# KiCad board HPM1500_DDR2_CORE_RevA.kicad_pcb (continued)
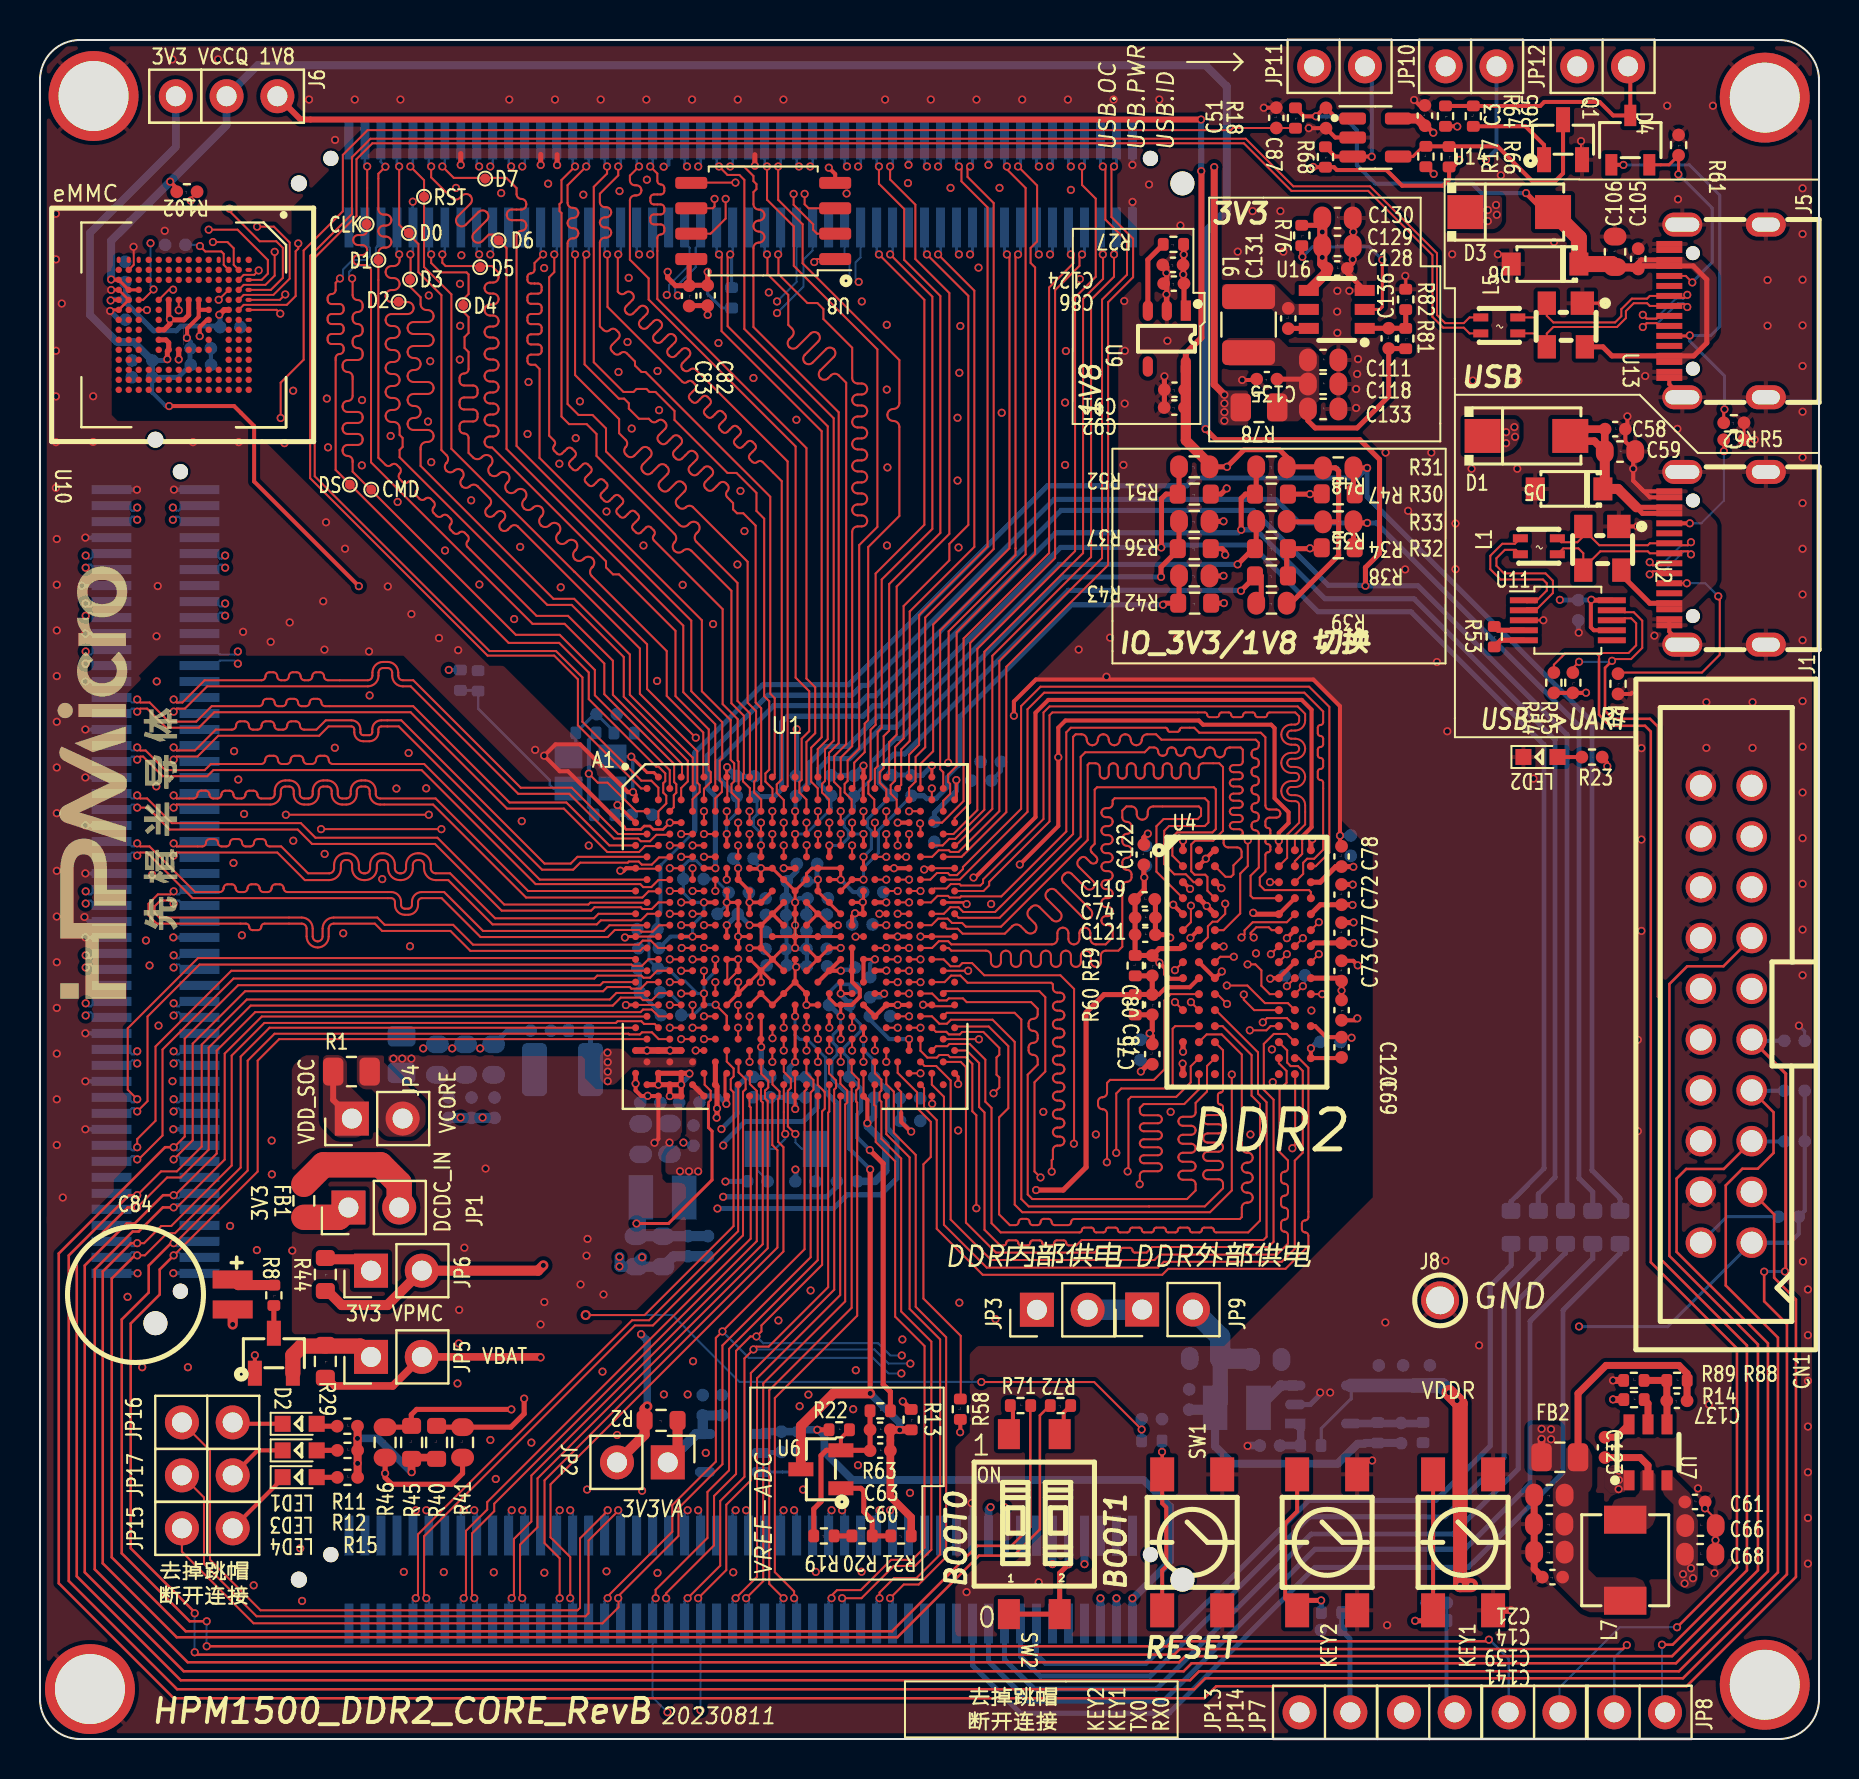
[diagram p0: board, top side]
## Routing (per net, layer and track width the routed paths; a pad name or vN(x,y) marks a point on that pad's centre or on a via; arc(x,y) is an arc through that point) (continued)
/Main/PF4_USB_ID: length 12.1
  Top w0.2: JP12.2 79.56,83.56 D4.3 78.69,81.22 78.02,81.9 75.25,81.9 75.05,81.7 71.7,81.7
  Top w0.203: 70.31,81.7 71.7,81.7
/Main/PF5: length 57.7
  Top w0.102: 38.34,33.92 38.34,33.32 38.69,32.97 38.69,32.48 38.55,32.34 38.55,24.1 34.14,19.69 34.14,13.75 31.94,11.55 31.94,10.16 28.93,7.15 v1(28.93,7.05) 28.94,7.03 28.94,6.59 28.14,5.79 10.69,5.79 7.1,9.38 JP15.1
  Bottom w0.127: v1(28.93,7.05) 29.05,6.92 J4.36
/Main/PF5': length 3.6
  Top w0.203: LED4.1 12.14,13.04 9.64,10.54
/Main/PF6: length 27
  Top w0.102: U1.AE17 v1(38.92,33.87)
  In2.Cu w0.102: v1(38.92,33.87) 38.83,33.79 38.83,23.33 38.09,22.59 38.09,21.02 35.69,18.62 35.69,14.74 v1(32.4,11.44)
  Bottom w0.127: J4.43 32.25,11.3 v1(32.4,11.44)
/Main/PF7: length 28.2
  Top w0.102: v1(38.92,35.01) U1.AC17
  In2.Cu w0.102: v1(38.92,35.01) 38.92,34.96 39.03,34.84 39.03,34.34 39.27,34.1 39.27,33.51 39.08,33.32 39.08,21.58 36.01,18.51 36.01,14.53 v1(32.93,11.44)
  Bottom w0.127: v1(32.93,11.44) 33.05,11.32 J4.45
/Main/PF8: length 63.3
  Top w0.102: JP16.1 8.51,14.43 8.51,8.97 11.04,6.44 26.89,6.44 27.02,6.56 27.02,10.03 28.4,11.42 v1(28.4,11.44) ; U1.AD16 v1(38.34,34.44)
  In2.Cu w0.102: v1(28.4,11.44) 28.4,11.61 28.6,11.81 31.61,11.81 34.7,14.9 34.7,20.15 38.18,23.63 38.18,34.28 v1(38.34,34.44)
  Bottom w0.127: v1(28.4,11.44) 28.25,11.3 J4.33
/Main/PF8': length 2.5
  Top w0.203: 9.64,15.84 9.71,15.77 LED1.1
/Main/PF9: length 63
  Top w0.102: U1.AB16 v1(38.34,35.58) ; v1(28.93,11.44) 28.93,11.42 27.44,9.93 27.44,6.29 27.29,6.14 10.84,6.14 8.21,8.77 8.21,12.08 JP17.1
  In2.Cu w0.102: v1(28.93,11.44) 28.97,11.49 31.82,11.49 35.03,14.7 35.03,19.98 38.48,23.43 38.48,34.04 38.73,34.29 38.73,34.7 38.34,35.08 v1(38.34,35.58)
  Bottom w0.127: J4.35 29.05,11.32 v1(28.93,11.44)
/Main/PF9': length 3
  Top w0.203: LED3.1 10.89,14.44 9.64,13.19
/Main/PY0: length 31.7
  Top w0.102: v1(26,7.05) 26,9.04 25.24,9.8 25.24,12.94 36.89,24.59 36.89,29.46 36.64,29.71 U1.AJ13
  Bottom w0.127: v1(26,7.05) 25.85,6.9 J4.28
/Main/PY1: length 33.2
  Top w0.102: v1(26.53,7.05) 26.53,9.1 25.54,10.09 25.54,12.74 37.19,24.39 37.19,29.61 36.92,29.88 36.92,32.01 37,32.08 37,32.39 36.64,32.75 36.64,33.36
  Bottom w0.127: v1(26.53,7.05) 26.65,6.92 J4.30
/Main/PY2: length 32.3
  Top w0.102: v1(23.6,7.05) 23.71,7.16 23.71,10.01 24.58,10.88 24.58,13.18 36.16,24.75 36.16,31.84 36.06,31.93 U1.AH12
  Bottom w0.127: v1(23.6,7.05) 23.45,6.9 J4.22
/Main/PY3: length 33.6
  Top w0.102: 36.08,33.92 36.08,33.29 36.43,32.94 36.43,32.59 36.28,32.44 36.27,32.43 36.27,32.06 36.41,31.92 36.41,24.55 24.89,13.04 24.89,10.6 24.01,9.72 24.01,7.16 v1(24.13,7.05)
  Bottom w0.127: J4.24 24.25,6.92 v1(24.13,7.05)
/Main/PY4: length 32.4
  Top w0.102: U1.AJ11 35.5,31.65 35.55,31.6 35.55,25.03 22.37,11.85 22.37,11.48 21.31,10.41 21.31,7.16 v1(21.2,7.05)
  Bottom w0.127: J4.16 21.05,6.9 v1(21.2,7.05)
/Main/PY5: length 33.7
  Top w0.102: 35.51,33.36 35.51,32.77 35.86,32.42 35.86,24.91 22.72,11.77 22.72,11.4 21.61,10.29 21.61,7.16 v1(21.73,7.05)
  Bottom w0.127: v1(21.73,7.05) 21.85,6.92 J4.18
/Main/PY6: length 34.2
  Top w0.102: v1(18.8,7.05) 18.91,7.16 18.91,10.24 29.62,20.95 30.47,20.95 34.93,25.4 U1.AH10
  Bottom w0.127: J4.10 18.65,6.9 v1(18.8,7.05)
/Main/PY7: length 35.6
  Top w0.102: 34.95,33.92 34.95,33.35 35.3,33 35.3,32.51 35.17,32.38 35.17,25.2 30.66,20.69 29.76,20.69 19.21,10.14 19.21,7.16 v1(19.33,7.05)
  Bottom w0.127: J4.12 19.45,6.92 v1(19.33,7.05)
/Main/PZ0: length 29.5
  Top w0.102: v1(37.21,34.44) U1.AD14
  In2.Cu w0.102: v1(37.21,34.44) 36.99,34.23 36.99,31.43 36.54,30.98 36.54,24.74 26,14.2 v1(26,11.44)
  Bottom w0.127: J4.27 25.85,11.3 v1(26,11.44)
/Main/PZ1: length 30.8
  Top w0.102: U1.AB14 v1(37.21,35.58)
  In2.Cu w0.102: v1(37.21,35.58) 37.62,35.16 37.62,34.27 37.31,33.96 37.31,31.16 36.84,30.69 36.84,24.54 26.54,14.24 26.54,11.46 v1(26.53,11.44)
  Bottom w0.127: J4.29 26.65,11.32 v1(26.53,11.44)
/Main/PZ2: length 29.5
  Top w0.102: v1(36.64,33.87) U1.AE13
  In2.Cu w0.102: v1(36.64,33.87) 36.64,31.67 36.19,31.23 36.19,24.89 24.13,12.83 v1(24.13,11.44)
  Bottom w0.127: J4.23 24.25,11.32 v1(24.13,11.44)
/Main/PZ3: length 30.9
  Top w0.102: v1(36.64,35.06) 36.64,35.62
  In2.Cu w0.102: v1(23.6,11.44) 23.6,12.7 35.84,24.94 35.84,31.43 36.27,31.86 36.27,34.12 36.64,34.49 v1(36.64,35.06)
  Bottom w0.127: J4.21 23.45,11.3 v1(23.6,11.44)
/Main/PZ4: length 31.1
  Top w0.102: v1(35.5,33.87) U1.AE11
  In2.Cu w0.102: v1(21.73,11.44) 21.74,11.46 21.74,15.42 23.99,17.67 23.99,24.16 30.35,30.52 32.09,30.52 35.44,33.87 v1(35.5,33.87)
  Bottom w0.127: J4.17 21.85,11.32 v1(21.73,11.44)
/Main/PZ5: length 33.5
  Top w0.102: v1(35.5,36.15) U1.AC11
  In2.Cu w0.102: v1(21.2,11.44) 21.19,11.45 21.19,15.45 23.59,17.85 23.59,24.16 30.19,30.76 31.89,30.76 35.09,33.96 35.09,35.08 35.5,35.48 v1(35.5,36.15)
  Bottom w0.127: v1(21.2,11.44) 21.05,11.3 J4.15
/Main/PZ6: length 33.4
  Top w0.102: v1(34.93,35.58) U1.AD10
  In2.Cu w0.102: v1(19.33,11.44) 20.69,12.81 20.69,15.45 23.24,18 23.24,24.22 30.07,31.05 31.7,31.05 34.8,34.15 34.8,35.22 34.93,35.34 v1(34.93,35.58)
  Bottom w0.127: v1(19.33,11.44) 19.45,11.32 J4.11
/Main/PZ7: length 34.8
  Top w0.102: U1.AB10 v1(34.93,36.72)
  In2.Cu w0.102: v1(18.8,11.44) 18.8,11.7 20.11,13.01 20.11,15.56 22.84,18.29 22.84,24.26 29.87,31.29 31.52,31.29 34.49,34.26 34.49,35.74 34.93,36.17 v1(34.93,36.72)
  Bottom w0.127: J4.9 18.65,11.3 v1(18.8,11.44)
/Main/RESET: length 49.6
  Top w0.102: v1(55.11,15.48) 52.74,17.86 v1(47.09,17.86) ; v2(27.3,21.21) 30.25,21.21 34.7,25.66 34.7,32.36 34.56,32.5 34.56,33 34.7,33.15 34.7,33.54 34.36,33.89 U1.AE9
  Bottom w0.102: v1(47.09,17.86) 47.08,17.87 34.99,17.87 31.65,21.21 v2(27.3,21.21)
  Bottom w0.178: R6.2 v1(55.11,15.48) 55.11,16 C108.1
/Main/USB0_DN: length 104.6
  Top w0.102: U1.C3 30.94,47.59 30.58,47.94 30.08,47.94 27.14,50.89 27.14,53.11 25.82,54.43 22.49,54.43 13.74,63.17 13.74,74.11 15.83,76.2 15.83,79.04 16.63,79.83 60.22,79.83 62.6,77.45 66.44,77.45 69.66,74.24 69.66,71.15 70.2,70.61 71.23,70.61 71.51,70.32 72.08,70.32
/Main/USB0_DP: length 104.1
  Top w0.102: L5.3 71.51,71.12 71.23,70.83 70.29,70.83 69.88,71.24 69.88,74.33 66.54,77.68 62.7,77.68 60.32,80.06 16.53,80.06 15.61,79.13 15.61,76.29 13.52,74.2 13.52,63.08 22.39,54.2 25.72,54.2 26.91,53.02 26.91,50.72 30.07,47.55 U1.B2
/Main/USB/CH340_DN: length 7.4
  Top w0.102: L1.2 73.83,59.49 73.28,59.49 72.86,59.07 72.86,58.69 73.24,58.31 75.31,58.31 75.68,57.95 75.68,57.33 74.92,56.57 74.38,56.57 74.28,56.47 U11.2
/Main/USB/CH340_DP: length 7.4
  Top w0.102: U11.1 74.28,56.97 74.38,56.87 74.79,56.87 75.38,57.46 75.38,57.82 75.19,58.01 73.07,58.01 72.55,58.52 72.55,59.2 73.15,59.8 73.78,59.8 L1.3
/Main/USB/DN: length 12
  Top w0.102: J1.B7 81,58.32 80.91,58.42 80.68,58.42 v1(80.52,58.27) ; v1(82.59,59.27) 82.44,59.42 82.1,59.42 82,59.32 J1.A7 80.53,59.32 80.43,59.42 78.05,59.42 77.2,58.57 U2.3 77.2,59.32 76.96,59.57 76.2,59.57 L1.1
  Bottom w0.102: v1(82.59,59.27) 82.44,59.42 82.23,59.42 81.23,58.42 80.68,58.42 v1(80.52,58.27)
/Main/USB/DP: length 11.7
  Top w0.102: L1.4 76.1,59.87 76.91,59.87 77.2,60.17 U2.2 77.2,60.52 78,59.72 80.43,59.72 80.53,59.82 J1.B6 82,59.82 82.1,59.72 82.44,59.72 v1(82.59,59.87) ; J1.A6 81,58.82 80.91,58.72 80.68,58.72 v1(80.52,58.87)
  Bottom w0.102: v1(82.59,59.87) 82.44,59.72 82.11,59.72 81.11,58.72 80.68,58.72 v1(80.52,58.87)
/Main/USB/L4_OUT_1: length 2.3
  Bottom w0.508: U3.3 62.07,17.68 L4.1
/Main/USB/L4_OUT_2: length 20
  Bottom w0.203: 58.69,16.48 L4.2
  Bottom w0.4: L4.2 58.78,14.64 59.65,13.77 64.92,13.77 65.92,14.77 66.27,14.77 ; C62.1 68.07,14.81 66.31,14.81
  Bottom w0.508: C64.1 58.69,16.48
  Bottom w0.762: C65.1 59.04,16.83
  Bottom w1.016: 60.53,19.03 C65.1 59.04,20.12 JP9.2
/Main/USB_OTG/DN: length 14.7
  Top w0.102: v1(80.18,70.64) 80.37,70.83 80.87,70.83 81,70.69 J5.B7 ; 73.93,70.32 74.77,70.32 75.38,69.71 U13.3 75.38,70.31 75.71,70.64 78.89,70.64 79.33,71.09 79.33,71.44 79.73,71.83 80.39,71.83 80.53,71.69 J5.A7 82,71.69 82.1,71.79 82.25,71.79 v1(82.4,71.64)
  Bottom w0.102: v1(80.18,70.64) 80.37,70.83 80.93,70.83 81.93,71.83 82.21,71.83 v1(82.4,71.64)
/Main/USB_OTG/DP: length 14.7
  Top w0.102: v1(80.18,71.25) 80.37,71.06 80.87,71.06 81,71.19 J5.A6 ; v1(82.4,72.25) 82.25,72.1 82.1,72.1 82,72.19 J5.B6 80.53,72.19 80.39,72.06 79.63,72.06 79.11,71.53 79.11,71.18 78.79,70.87 75.71,70.87 75.38,71.2 U13.2 75.38,71.71 74.79,71.12 L5.4
  Bottom w0.102: v1(80.18,71.25) 80.37,71.06 80.83,71.06 81.83,72.06 82.21,72.06 v1(82.4,72.25)
DCDC_GND: length 15.3
  Top w0.254: U1.AF8 U1.AH8 33.87,32.65 v1(33.87,31.54) 33.87,31.1 v1(33.85,31.08)
  Top w0.33: U1.AE1 v1(30.37,34.44) U1.AE3 U1.AE5
  Bottom w0.254: C32.2 23.38,35.44 C140.2 ; 30.49,23.68 30.52,23.65
  Bottom w0.508: C85.2 29.81,23.79 v1(30.12,24.1) ; C85.2 C90.2 31.68,24.15 C112.2 C113.2 ; C85.2 29,23.63 v1(28.99,23.64) v1(28.99,24.12) ; 20.44,31.07 22.74,31.07
  vias: v1(19.17,34.55) v1(20.62,34.55) v1(21.04,31.09) v1(22.02,34.55) v1(22.14,31.09) v1(31.52,34.44)
MIPI0.CK_N: length 31.4
  Top w0.102: 30.42,40.71 28.49,40.71 28.21,40.43 22.16,40.43 20.22,42.37 19.1,42.37 arc(18.75,42.23) 18.61,41.88 18.61,41.73 arc(18.55,41.59) 18.42,41.54 18.25,41.54 arc(18.12,41.59) 18.06,41.73 18.06,41.88 arc(17.92,42.23) 17.57,42.37 12.38,42.37 arc(12.24,42.43) 12.19,42.57 arc(12.13,42.7) 11.99,42.76 11.78,42.76 arc(11.64,42.7) 11.59,42.57 arc(11.53,42.43) 11.39,42.37 11.18,42.37 arc(11.04,42.43) 10.99,42.57 arc(10.93,42.7) 10.79,42.76 10.58,42.76 arc(10.44,42.7) 10.39,42.57 arc(10.33,42.43) 10.19,42.37 9.98,42.37 arc(9.84,42.43) 9.79,42.57 arc(9.73,42.7) 9.59,42.76 9.38,42.76 arc(9.24,42.7) 9.19,42.57 arc(9.13,42.43) 8.99,42.37 7.76,42.37 5.48,44.65 5.02,44.65 v1(4.86,44.81)
  Bottom w0.102: J2.46 4.35,44.9 4.6,44.65 4.71,44.65 v1(4.86,44.81)
MIPI0.CK_P: length 31.4
  Top w0.102: v1(4.86,44.2) 5.02,44.35 5.35,44.35 7.64,42.07 17.57,42.07 arc(17.7,42.01) 17.76,41.88 17.76,41.73 arc(17.9,41.38) 18.25,41.24 18.42,41.24 arc(18.77,41.38) 18.91,41.73 18.91,41.88 arc(18.97,42.01) 19.1,42.07 20.09,42.07 22.04,40.12 28.4,40.12 28.76,40.47 30,40.47 30.08,40.39 30.64,40.39 30.96,40.71 31.55,40.71
  Bottom w0.102: v1(4.86,44.2) 4.71,44.35 4.6,44.35 4.35,44.1 J2.48
MIPI0.D0_N: length 31.4
  Top w0.102: U1.N1 27.94,41.28 27.71,41.06 22.77,41.06 20.52,43.31 19.8,43.31 arc(19.63,43.38) 19.55,43.56 19.55,43.73 arc(19.38,44.14) 18.97,44.31 18.9,44.31 arc(18.48,44.14) 18.31,43.73 18.31,43.56 arc(18.24,43.38) 18.07,43.31 18,43.31 arc(17.83,43.38) 17.75,43.56 17.75,43.73 arc(17.58,44.14) 17.17,44.31 17.1,44.31 arc(16.68,44.14) 16.51,43.73 16.51,43.56 arc(16.44,43.38) 16.27,43.31 16.2,43.31 arc(16.03,43.38) 15.95,43.56 15.95,43.73 arc(15.78,44.14) 15.37,44.31 15.3,44.31 arc(14.88,44.14) 14.71,43.73 14.71,43.56 arc(14.64,43.38) 14.47,43.31 13.41,43.31 12.07,44.65 11.49,44.65 arc(11.36,44.71) 11.31,44.84 arc(11.25,44.97) 11.12,45.02 10.89,45.02 arc(10.76,44.97) 10.71,44.84 arc(10.65,44.71) 10.52,44.65 10.29,44.65 arc(10.16,44.71) 10.11,44.84 arc(10.05,44.97) 9.92,45.02 9.69,45.02 arc(9.56,44.97) 9.51,44.84 arc(9.45,44.71) 9.32,44.65 9.09,44.65 arc(8.96,44.71) 8.91,44.84 arc(8.85,44.97) 8.72,45.02 8.49,45.02 arc(8.36,44.97) 8.31,44.84 arc(8.25,44.71) 8.12,44.65 6.84,44.65 v1(6.69,44.81)
  Bottom w0.102: v1(6.69,44.81) 6.84,44.65 6.95,44.65 7.2,44.9 J2.45
MIPI0.D0_P: length 31.4
  Top w0.102: v1(6.69,44.2) 6.84,44.35 11.87,44.35 13.25,42.97 14.47,42.97 arc(14.88,43.14) 15.05,43.56 15.05,43.73 arc(15.13,43.9) 15.3,43.97 15.37,43.97 arc(15.54,43.9) 15.61,43.73 15.61,43.56 arc(15.78,43.14) 16.2,42.97 16.27,42.97 arc(16.68,43.14) 16.85,43.56 16.85,43.73 arc(16.93,43.9) 17.1,43.97 17.17,43.97 arc(17.34,43.9) 17.41,43.73 17.41,43.56 arc(17.58,43.14) 18,42.97 18.07,42.97 arc(18.48,43.14) 18.65,43.56 18.65,43.73 arc(18.73,43.9) 18.9,43.97 18.97,43.97 arc(19.14,43.9) 19.21,43.73 19.21,43.56 arc(19.38,43.14) 19.8,42.97 20.42,42.97 22.64,40.76 27.86,40.76 28.06,40.96 30.06,40.96 30.39,41.28 U1.N3
  Bottom w0.102: J2.47 7.2,44.1 6.95,44.35 6.84,44.35 v1(6.69,44.2)
MIPI0.D1_N: length 31.4
  Top w0.102: v1(6.69,42.41) 6.53,42.25 5.9,42.25 5.43,41.78 5.43,41.21 5.84,40.79 10.3,40.79 arc(10.42,40.74) 10.47,40.63 arc(10.51,40.51) 10.63,40.47 10.9,40.47 arc(11.02,40.51) 11.07,40.63 arc(11.11,40.74) 11.23,40.79 13.09,40.79 arc(13.27,40.72) 13.34,40.54 13.34,40.15 arc(13.5,39.76) 13.89,39.6 arc(14.28,39.76) 14.44,40.15 14.44,40.54 arc(14.51,40.72) 14.69,40.79 16.75,40.79 17.12,40.43 20.53,40.43 21.53,39.43 30.02,39.43 30.16,39.57 U1.T2
  Bottom w0.102: v1(6.69,42.41) 6.84,42.25 6.95,42.25 7.2,42.5 J2.51
MIPI0.D1_P: length 31.3
  Top w0.102: U1.T4 30.93,39.57 30.56,39.94 30.15,39.94 29.95,39.74 21.66,39.74 20.67,40.73 17.24,40.73 16.88,41.1 14.69,41.1 arc(14.3,40.94) 14.14,40.54 14.14,40.15 arc(14.07,39.98) 13.89,39.9 arc(13.71,39.98) 13.64,40.15 13.64,40.54 arc(13.48,40.94) 13.09,41.1 5.97,41.1 5.73,41.33 5.73,41.66 6.02,41.95 6.53,41.95 v1(6.69,41.8)
  Bottom w0.102: J2.53 7.2,41.7 6.95,41.95 6.84,41.95 v1(6.69,41.8)
MIPI1.CK_N: length 41
  Top w0.102: v1(32.08,40.71) U1.P6
  In2.Cu w0.102: v1(2.29,56.2) 2.44,56.35 3.18,56.35 arc(3.32,56.29) 3.37,56.16 arc(3.43,56.02) 3.57,55.96 3.78,55.96 arc(3.92,56.02) 3.97,56.16 arc(4.03,56.29) 4.17,56.35 4.38,56.35 arc(4.52,56.29) 4.57,56.16 arc(4.63,56.02) 4.77,55.96 4.98,55.96 arc(5.12,56.02) 5.17,56.16 arc(5.23,56.29) 5.37,56.35 5.58,56.35 arc(5.72,56.29) 5.77,56.16 arc(5.83,56.02) 5.97,55.96 6.18,55.96 arc(6.32,56.02) 6.37,56.16 arc(6.43,56.29) 6.57,56.35 7.9,56.35 8.91,55.35 8.91,53.17 9.43,52.65 10.13,52.65 21.62,41.16 28.99,41.16 29.34,40.8 30.64,40.8 30.8,40.64 32,40.64 v1(32.08,40.71)
  Bottom w0.102: J2.18 2.8,56.1 2.55,56.35 2.44,56.35 v1(2.29,56.2)
MIPI1.CK_P: length 41
  Top w0.102: v1(33.22,40.71) U1.P8
  In2.Cu w0.102: v1(33.22,40.71) 32.66,40.71 32.3,41.07 31.89,41.07 31.74,40.93 31.04,40.93 30.87,41.09 29.49,41.09 29.11,41.47 21.74,41.47 10.26,52.95 9.55,52.95 9.21,53.29 9.21,55.47 8.03,56.65 2.44,56.65 v1(2.29,56.81)
  Bottom w0.102: v1(2.29,56.81) 2.44,56.65 2.55,56.65 2.8,56.9 J2.16
MIPI1.D0_N: length 40.9
  Top w0.102: U1.N5 v1(31.5,41.28)
  In2.Cu w0.102: v1(31.5,41.28) 31.38,41.41 29.66,41.41 29.17,41.9 22.34,41.9 18.49,45.76 18.49,47.73 18.12,48.1 arc(17.92,48.18) 17.73,48.1 17.55,47.92 arc(17.14,47.75) 16.74,47.92 arc(16.57,48.33) 16.74,48.74 17.54,49.53 arc(17.58,49.64) 17.54,49.74 17.36,49.92 arc(17.25,49.96) 17.15,49.92 16.35,49.12 arc(15.94,48.95) 15.53,49.12 arc(15.37,49.53) 15.53,49.94 16.33,50.74 arc(16.38,50.84) 16.33,50.95 16.16,51.12 arc(16.05,51.17) 15.95,51.12 15.15,50.32 arc(14.74,50.15) 14.33,50.32 arc(14.16,50.73) 14.33,51.14 15.13,51.94 arc(15.17,52.04) 15.13,52.15 14.95,52.32 arc(14.85,52.37) 14.75,52.32 14.64,52.22 arc(14.32,52.08) 14,52.22 13.48,52.73 arc(13.27,52.82) 13.06,52.73 13.02,52.7 arc(12.81,52.61) 12.6,52.7 arc(12.51,52.91) 12.6,53.12 12.63,53.16 arc(12.72,53.37) 12.63,53.58 12.26,53.95 11.69,53.95 arc(11.55,53.89) 11.49,53.75 arc(11.43,53.61) 11.29,53.55 11.09,53.55 arc(10.95,53.61) 10.89,53.75 arc(10.83,53.89) 10.69,53.95 10.05,53.95 v1(9.9,53.8)
  Bottom w0.102: J2.23 8.75,53.7 9,53.95 9.75,53.95 v1(9.9,53.8)
MIPI1.D0_P: length 40.9
  Top w0.102: v1(32.65,41.28) U1.N7
  In2.Cu w0.102: v1(9.9,54.41) 10.05,54.25 12.39,54.25 14.21,52.43 arc(14.32,52.39) 14.42,52.43 14.53,52.54 arc(14.85,52.67) 15.17,52.54 15.35,52.36 arc(15.48,52.04) 15.35,51.72 14.55,50.92 arc(14.47,50.73) 14.55,50.54 arc(14.74,50.46) 14.93,50.54 15.73,51.34 arc(16.05,51.47) 16.37,51.34 16.55,51.16 arc(16.68,50.84) 16.55,50.52 15.75,49.72 arc(15.67,49.53) 15.75,49.34 arc(15.94,49.26) 16.14,49.34 16.93,50.14 arc(17.25,50.27) 17.57,50.14 17.75,49.96 arc(17.88,49.64) 17.75,49.32 16.95,48.52 arc(16.87,48.33) 16.95,48.13 arc(17.14,48.05) 17.34,48.13 17.52,48.31 arc(17.92,48.48) 18.33,48.31 18.79,47.85 18.79,45.88 22.47,42.21 29.29,42.21 29.78,41.72 31.65,41.72 32.08,41.28 v1(32.65,41.28)
  Bottom w0.102: J2.21 8.75,54.5 9,54.25 9.75,54.25 v1(9.9,54.41)
MIPI1.D1_N: length 40.9
  Top w0.102: U1.T6 v1(32.1,39.57)
  In2.Cu w0.102: v1(2.29,53.8) 2.44,53.95 3.27,53.95 arc(3.39,53.9) 3.44,53.78 arc(3.5,53.65) 3.62,53.6 3.87,53.6 arc(3.99,53.65) 4.04,53.78 arc(4.1,53.9) 4.22,53.95 4.47,53.95 arc(4.59,53.9) 4.64,53.78 arc(4.7,53.65) 4.82,53.6 5.07,53.6 arc(5.19,53.65) 5.24,53.78 arc(5.3,53.9) 5.42,53.95 5.67,53.95 arc(5.79,53.9) 5.84,53.78 arc(5.9,53.65) 6.02,53.6 6.27,53.6 arc(6.39,53.65) 6.44,53.78 arc(6.5,53.9) 6.62,53.95 7.44,53.95 7.9,53.5 7.9,52.95 9.12,51.73 9.89,51.73 10.64,50.98 arc(10.72,50.78) 10.64,50.59 10.42,50.38 arc(10.25,49.97) 10.42,49.56 arc(10.83,49.39) 11.24,49.56 11.45,49.78 arc(11.65,49.85) 11.84,49.78 21.42,40.19 28.58,40.19 29.08,39.69 31.98,39.69 v1(32.1,39.57)
  Bottom w0.102: J2.24 2.8,53.7 2.55,53.95 2.44,53.95 v1(2.29,53.8)
MIPI1.D1_P: length 40.4
  Top w0.102: v1(33.22,39.57) U1.T8
  In2.Cu w0.102: v1(33.22,39.57) 32.65,39.57 32.22,40.01 29.99,40.01 29.5,40.49 21.55,40.49 11.88,50.16 10.64,50.16 10.85,50.38 10.9,50.43 10.98,50.56 11.02,50.71 11.02,50.86 10.98,51.01 10.9,51.14 10.85,51.19 10.01,52.03 9.24,52.03 8.2,53.07 8.2,53.62 7.57,54.25 2.44,54.25 v1(2.29,54.41)
  Bottom w0.102: v1(2.29,54.41) 2.44,54.25 2.55,54.25 2.8,54.5 J2.22
MIPI2.CK_N: length 31.4
  Top w0.102: 30.39,44.13 26.89,44.13 26.55,43.8 25.24,43.8 18.07,50.96 17.07,50.96 arc(16.75,50.83) 16.62,50.52 16.62,50.36 arc(16.58,50.26) 16.48,50.22 16.17,50.22 arc(16.07,50.26) 16.03,50.36 16.03,50.52 arc(15.9,50.83) 15.58,50.96 14.3,50.96 13.83,50.5 13.21,50.5 arc(13.07,50.56) 13.01,50.7 arc(12.94,50.85) 12.8,50.91 12.57,50.91 arc(12.43,50.85) 12.37,50.7 arc(12.31,50.56) 12.16,50.5 11.93,50.5 arc(11.79,50.56) 11.73,50.7 arc(11.67,50.85) 11.52,50.91 11.3,50.91 arc(11.15,50.85) 11.09,50.7 arc(11.03,50.56) 10.88,50.5 10.66,50.5 arc(10.51,50.56) 10.45,50.7 arc(10.39,50.85) 10.24,50.91 10.02,50.91 arc(9.87,50.85) 9.81,50.7 arc(9.75,50.56) 9.6,50.5 8.79,50.5 7.75,49.46 6.84,49.46 v1(6.69,49.61)
  Bottom w0.102: v1(6.69,49.61) 6.84,49.45 6.95,49.45 7.2,49.7 J2.33
MIPI2.CK_P: length 31.3
  Top w0.102: 31.55,44.1 30.96,44.1 30.61,43.74 30.11,43.74 29.95,43.9 29.46,43.9 29.4,43.84 27.03,43.84 26.68,43.49 25.11,43.49 17.95,50.66 17.07,50.66 arc(16.97,50.62) 16.93,50.52 16.93,50.36 arc(16.8,50.05) 16.48,49.92 16.17,49.92 arc(15.85,50.05) 15.72,50.36 15.72,50.52 arc(15.68,50.62) 15.58,50.66 14.43,50.66 13.97,50.19 8.92,50.19 7.88,49.15 6.84,49.15 v1(6.69,49)
  Bottom w0.102: J2.35 7.2,48.9 6.95,49.15 6.84,49.15 v1(6.69,49)
MIPI2.D0_N: length 31.4
  Top w0.102: U1.F2 28.92,45.27 26.6,47.59 24.05,47.59 18.67,52.97 18.15,52.97 arc(17.99,53.04) 17.92,53.2 17.92,53.35 arc(17.77,53.73) 17.39,53.89 17.16,53.89 arc(16.79,53.73) 16.63,53.35 16.63,53.2 arc(16.56,53.04) 16.4,52.97 14.41,52.97 arc(14.27,53.03) 14.21,53.17 arc(14.15,53.31) 14.01,53.37 13.82,53.37 arc(13.68,53.31) 13.62,53.17 arc(13.56,53.03) 13.42,52.97 13.24,52.97 arc(13.1,53.03) 13.04,53.17 arc(12.98,53.31) 12.84,53.37 12.65,53.37 arc(12.51,53.31) 12.45,53.17 arc(12.39,53.03) 12.25,52.97 12.07,52.97 arc(11.93,53.03) 11.87,53.17 arc(11.81,53.31) 11.67,53.37 11.48,53.37 arc(11.34,53.31) 11.28,53.17 arc(11.22,53.03) 11.08,52.97 8.24,52.97 7.12,51.85 6.84,51.85 v1(6.69,52.01)
  Bottom w0.102: J2.27 7.2,52.1 6.95,51.85 6.84,51.85 v1(6.69,52.01)
MIPI2.D0_P: length 31.4
  Top w0.102: 31.55,45.24 30.84,45.24 30.52,44.91 30.06,44.91 29.92,45.05 28.71,45.05 26.48,47.29 23.92,47.29 18.55,52.66 18.15,52.66 arc(17.78,52.82) 17.62,53.2 17.62,53.35 arc(17.55,53.51) 17.39,53.58 17.16,53.58 arc(17,53.51) 16.93,53.35 16.93,53.2 arc(16.78,52.82) 16.4,52.66 8.36,52.66 7.25,51.55 6.84,51.55 v1(6.69,51.4)
  Bottom w0.102: J2.29 7.2,51.3 6.95,51.55 6.84,51.55 v1(6.69,51.4)
MIPI2.D1_N: length 31.3
  Top w0.102: v1(4.86,52.01) 5.02,51.85 5.49,51.85 6.44,50.9 7.82,50.9 8.59,51.67 10.97,51.67 arc(11.1,51.73) 11.15,51.86 arc(11.2,51.98) 11.33,52.04 11.55,52.04 arc(11.68,51.98) 11.74,51.86 arc(11.79,51.73) 11.92,51.67 12.14,51.67 arc(12.27,51.73) 12.32,51.86 arc(12.37,51.98) 12.5,52.04 12.72,52.04 arc(12.85,51.98) 12.91,51.86 arc(12.96,51.73) 13.09,51.67 13.31,51.67 arc(13.44,51.73) 13.49,51.86 arc(13.54,51.98) 13.67,52.04 13.89,52.04 arc(14.02,51.98) 14.08,51.86 arc(14.13,51.73) 14.26,51.67 18.67,51.67 23.49,46.85 26.33,46.85 28.48,44.7 U1.G1
  Bottom w0.102: v1(4.86,52.01) 4.71,51.85 4.6,51.85 4.35,52.1 J2.28
MIPI2.D1_P: length 31.4
  Top w0.102: v1(4.86,51.4) 5.02,51.55 5.36,51.55 6.32,50.59 7.94,50.59 8.72,51.37 18.54,51.37 23.36,46.55 26.21,46.55 28.38,44.37 29.97,44.37 30.27,44.67 30.99,44.67
  Bottom w0.102: J2.30 4.35,51.3 4.6,51.55 4.71,51.55 v1(4.86,51.4)
MIPI2.D2_N: length 31.4
  Top w0.102: v1(4.86,49.61) 5.02,49.45 5.29,49.45 6.27,48.47 8.24,48.47 8.55,48.78 11.06,48.78 arc(11.21,48.84) 11.27,48.98 arc(11.33,49.13) 11.48,49.19 11.7,49.19 arc(11.84,49.13) 11.9,48.98 arc(11.96,48.84) 12.11,48.78 12.33,48.78 arc(12.48,48.84) 12.54,48.98 arc(12.6,49.13) 12.75,49.19 12.97,49.19 arc(13.11,49.13) 13.17,48.98 arc(13.23,48.84) 13.38,48.78 13.6,48.78 arc(13.75,48.84) 13.81,48.98 arc(13.87,49.13) 14.02,49.19 14.24,49.19 arc(14.38,49.13) 14.44,48.98 arc(14.5,48.84) 14.65,48.78 19.22,48.78 25,42.99 U1.K2
  Bottom w0.102: v1(4.86,49.61) 4.71,49.45 4.6,49.45 4.35,49.7 J2.34
MIPI2.D2_P: length 31.3
  Top w0.102: v1(4.86,49) 5.02,49.15 5.16,49.15 6.14,48.17 8.37,48.17 8.67,48.47 19.09,48.47 24.79,42.77 30.03,42.77 30.18,42.62 30.58,42.62 30.93,42.97 31.55,42.97
  Bottom w0.102: J2.36 4.35,48.9 4.6,49.15 4.71,49.15 v1(4.86,49)
MIPI2.D3_N: length 31.4
  Top w0.102: v1(6.69,47.21) 6.84,47.05 7.68,47.05 arc(7.82,47.11) 7.88,47.25 arc(7.93,47.39) 8.07,47.44 8.28,47.44 arc(8.42,47.39) 8.48,47.25 arc(8.53,47.11) 8.67,47.05 8.88,47.05 arc(9.02,47.11) 9.08,47.25 arc(9.13,47.39) 9.27,47.44 9.48,47.44 arc(9.62,47.39) 9.68,47.25 arc(9.73,47.11) 9.87,47.05 10.08,47.05 arc(10.22,47.11) 10.28,47.25 arc(10.33,47.39) 10.47,47.44 10.68,47.44 arc(10.82,47.39) 10.88,47.25 arc(10.93,47.11) 11.07,47.05 11.52,47.05 arc(11.68,47.12) 11.74,47.28 11.74,47.43 arc(11.9,47.8) 12.27,47.96 12.47,47.96 arc(12.84,47.8) 13,47.43 13,47.28 arc(13.06,47.12) 13.22,47.05 13.42,47.05 arc(13.58,47.12) 13.64,47.28 13.64,47.43 arc(13.8,47.8) 14.17,47.96 14.37,47.96 arc(14.74,47.8) 14.9,47.43 14.9,47.28 arc(14.96,47.12) 15.12,47.05 15.32,47.05 arc(15.48,47.12) 15.54,47.28 15.54,47.43 arc(15.7,47.8) 16.07,47.96 16.27,47.96 arc(16.64,47.8) 16.8,47.43 16.8,47.28 arc(16.86,47.12) 17.02,47.05 19.79,47.05 24.42,42.42 U1.L1
  Bottom w0.102: v1(6.69,47.21) 6.84,47.05 6.95,47.05 7.2,47.3 J2.39
MIPI2.D3_P: length 32.1
  Top w0.102: v1(6.69,46.6) 6.84,46.75 11.52,46.75 arc(11.89,46.9) 12.05,47.28 12.05,47.43 arc(12.11,47.59) 12.27,47.65 12.47,47.65 arc(12.63,47.59) 12.69,47.43 12.69,47.28 arc(12.85,46.9) 13.22,46.75 13.42,46.75 arc(13.79,46.9) 13.95,47.28 13.95,47.43 arc(14.01,47.59) 14.17,47.65 14.37,47.65 arc(14.53,47.59) 14.59,47.43 14.59,47.28 arc(14.75,46.9) 15.12,46.75 15.32,46.75 arc(15.69,46.9) 15.85,47.28 15.85,47.43 arc(15.91,47.59) 16.07,47.65 16.27,47.65 arc(16.43,47.59) 16.49,47.43 16.49,47.28 arc(16.65,46.9) 17.02,46.75 19.66,46.75 24.32,42.1 30.13,42.1 30.44,42.41 30.99,42.41
  Bottom w0.102: v1(6.69,46.6) 6.84,46.75 6.95,46.75 7.2,46.5 ; 7.2,46.5 J2.41 7.2,46.5
MIPI3.CK_N: length 39.6
  Top w0.102: v1(32.08,44.13) U1.H6
  In2.Cu w0.102: v1(32.08,44.13) 31.09,44.13 30.02,45.21 30.02,49.79 25.72,54.09 23.22,54.09 21.33,55.98 arc(21.14,56.06) 20.95,55.98 20.84,55.87 arc(20.43,55.7) 20.02,55.87 19.95,55.94 arc(19.78,56.35) 19.95,56.76 20.77,57.57 arc(20.85,57.77) 20.77,57.96 20.7,58.03 arc(20.5,58.11) 20.31,58.03 19.49,57.21 arc(19.09,57.05) 18.68,57.21 18.61,57.28 arc(18.44,57.69) 18.61,58.1 18.71,58.21 arc(18.79,58.4) 18.71,58.59 18.56,58.75 14.49,58.75 14.32,58.75 arc(14.17,58.69) 14.11,58.54 arc(14.05,58.4) 13.91,58.34 13.73,58.34 arc(13.59,58.4) 13.53,58.54 arc(13.47,58.69) 13.32,58.75 13.15,58.75 arc(13,58.69) 12.94,58.54 arc(12.88,58.4) 12.74,58.34 12.56,58.34 arc(12.42,58.4) 12.36,58.54 arc(12.3,58.69) 12.15,58.75 11.98,58.75 arc(11.83,58.69) 11.77,58.54 arc(11.71,58.4) 11.57,58.34 11.39,58.34 arc(11.25,58.4) 11.19,58.54 arc(11.13,58.69) 10.98,58.75 9.42,58.75 v1(9.26,58.6)
  Bottom w0.102: v1(9.26,58.6) 9.11,58.75 9,58.75 8.75,58.5 J2.11
MIPI3.CK_P: length 39.6
  Top w0.102: v1(33.22,44.13) U1.H8
  In2.Cu w0.102: v1(9.26,59.21) 9.42,59.05 18.69,59.05 18.93,58.81 arc(19.1,58.4) 18.93,57.99 18.82,57.89 arc(18.74,57.69) 18.82,57.5 18.89,57.43 arc(19.09,57.35) 19.28,57.43 20.1,58.25 arc(20.5,58.42) 20.91,58.25 20.98,58.18 arc(21.15,57.77) 20.98,57.36 20.17,56.54 arc(20.09,56.35) 20.17,56.16 20.24,56.09 arc(20.43,56.01) 20.62,56.09 20.73,56.19 arc(21.14,56.36) 21.55,56.19 23.34,54.4 25.84,54.4 30.36,49.88 30.36,45.3 31.31,44.35 31.67,44.35 31.82,44.49 32.29,44.49 32.65,44.13 v1(33.22,44.13)
  Bottom w0.102: J2.9 8.75,59.3 9,59.05 9.11,59.05 v1(9.26,59.21)
MIPI3.D0_N: length 39.5